# Altium PCB ReboostV2.PcbDoc (part 1 of 2) (continued)
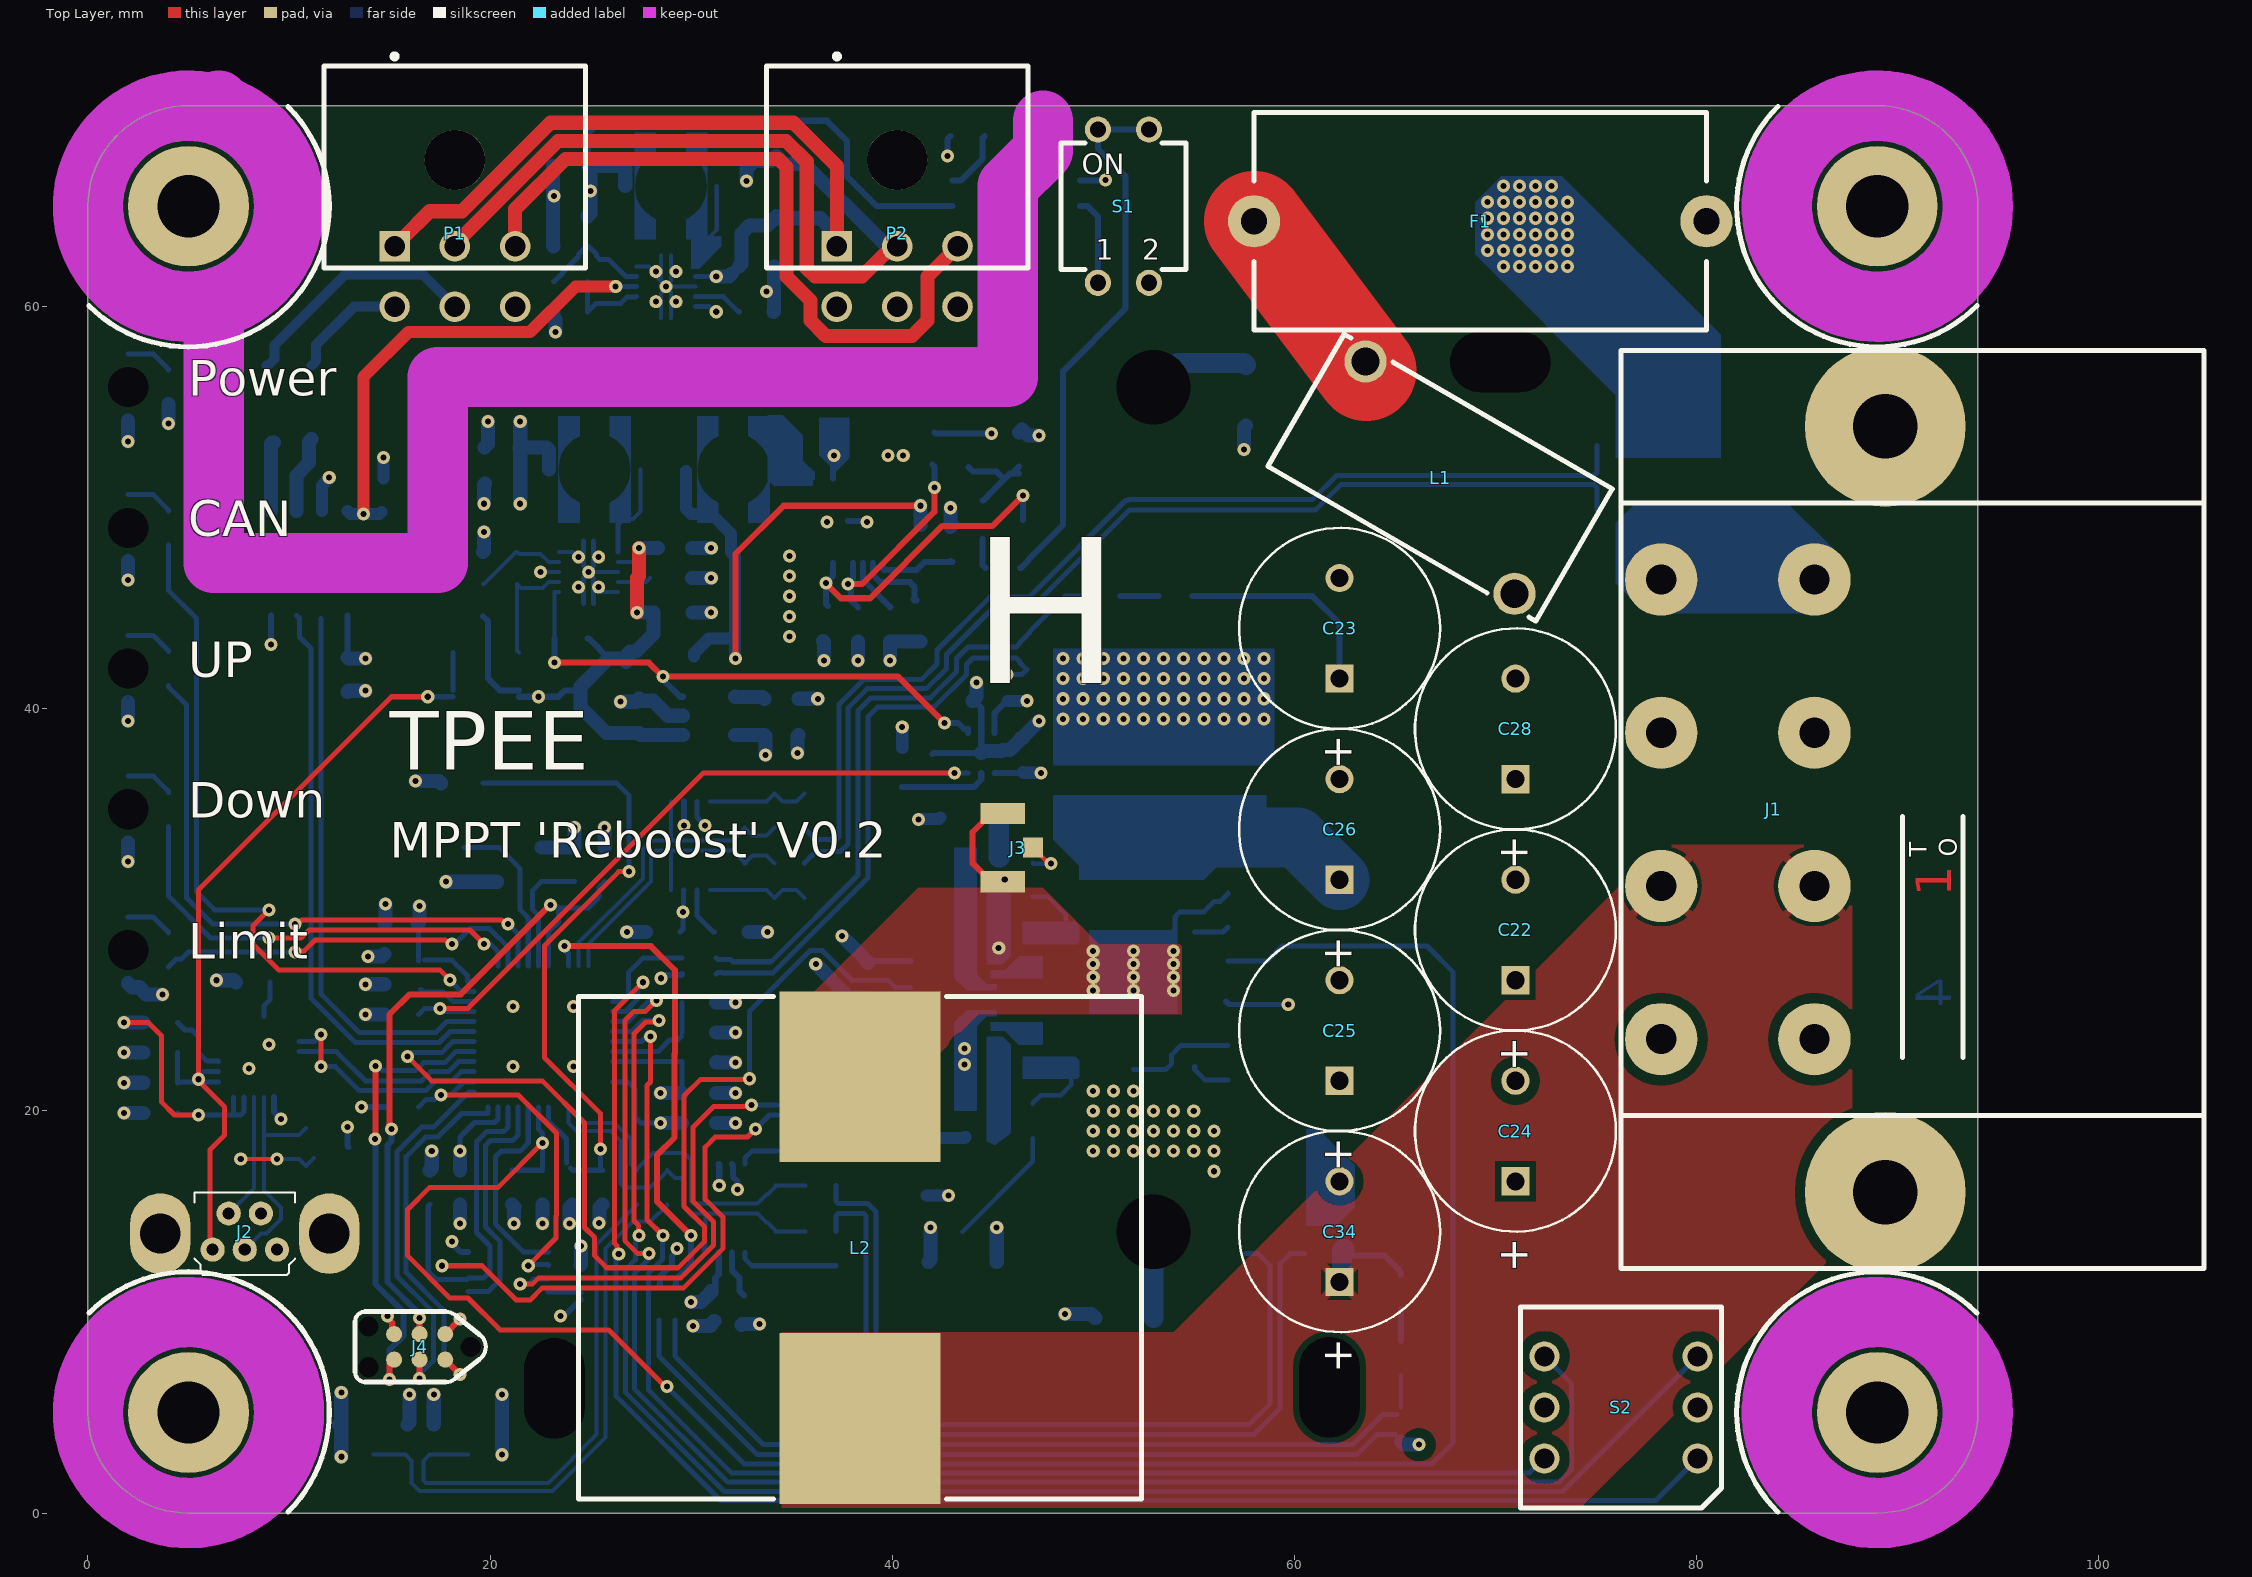
[diagram p0: Top Layer view]
## Design rules (kind name [scope] priority, off if disabled: settings) (continued)
Width Width-xTW [All] p2: maxlimit=1.5 minlimit=0.15 preferedwidth=0.2
2 further rules are at their usual default settings.

## Classes and differential pairs
net class HV: HSG HSS NetC27_1 NetC29_1 NetC40_2 NetD3_2 NetJ3_1 NetQ1_G1 NetQ1_G2 Vb VHPF VLP
net class CANISO: 5Vcan CANH CANL CGND NetC47_2 NetD4_2 NetL3_1 NetL6_1 NetL6_4 NetR28_1 NetR30_1 NetU7_3 NetU7_6 SHLD1 SHLD2 Vcan
component class Designator: C27 C29 C30 C31 C32 C33 C36 C37 C38 C39 C40 C61 D2 D3 J3 J5 MP1 MP2 Q1 Q2 R22 R23 R24 R25 R26 R27 R46 R50 U5
channel class ReboostV2__Vsense: VHS VLS
component class VLS: L7_VLS R12_VLS R13_VLS R49_VLS
component class VHS: L7_VHS R12_VHS R13_VHS R49_VHS
channel class ReboostV2__Isense: IHS ILS
component class USB: C5 C6 C7 C8 D1 J2 R11 U2
component class ReboostV2_toplevel: F1 J1 LED1 LED2 LED3 LED4 LED5 R1 R2 R3 R4 R5 S1
component class PSU: C48 C49 C50 C51 C52 C53 C54 C55 C56 C57 C58 C59 C60 C63 C64 D5 D6 D7 L4 L5 Q3 R32 R33 R34 R35 R36 R37 R38 R39 R40 R41 R42 R43 R44 R45 R47 R48 U8 U9 U10 U11
component class PowerElectronics: C20 C21 C22 C23 C24 C25 C26 C28 C34 C35 L1 L2 R18 R19 R20 R21
component class ILS: C1_ILS C2_ILS C3_ILS C4_ILS R6_ILS R7_ILS R8_ILS R9_ILS R10_ILS U1_ILS
component class IHS: C1_IHS C2_IHS C3_IHS C4_IHS R6_IHS R7_IHS R8_IHS R9_IHS R10_IHS U1_IHS
component class Controller: C9 C10 C11 C12 C13 C14 C15 C16 C17 C18 C19 J4 J6 J7 R14 R15 R16 R17 R51 R52 S2 U3 U4 X1
component class CAN: C41 C42 C43 C44 C45 C46 C47 D4 L3 L6 P1 P2 R28 R29 R30 R31 U6 U7
differential pair D: +D_P -D_N
differential pair S_ILS: +S_ILS_P -S_ILS_N
differential pair S_IHS: +S_IHS_P -S_IHS_N
differential pair _ILS: +_ILS_P -_ILS_N
differential pair _IHS: +_IHS_P -_IHS_N

## Components (designator, comment, footprint, x,y, rotation, side; value= is the part's Value field where it differs from the comment)
C1_IHS "1nF" C0603 34.15,31.45 r90 bottom (schematic designator C1)
C1_ILS "1nF" C0603 35.7,13.15 r90 bottom (schematic designator C1)
C2_IHS "100nF" C0603 28.6,28.9 r0 bottom (schematic designator C2)
C2_ILS "100nF" C0603 30.4,20.9 r180 bottom (schematic designator C2)
C3_IHS "100nF" C0603 32,28.9 r180 bottom (schematic designator C3)
C3_ILS "100nF" C0603 32.5,10.2 r90 bottom (schematic designator C3)
C4_IHS "1nF" C0603 34.15,34.95 r270 bottom (schematic designator C4)
C4_ILS "1nF" C0603 35.7,17.15 r270 bottom (schematic designator C4)
C5 "2.2uF" C0603 3.6,21.4 r0 bottom
C6 "100nF" C0603 3.6,22.9 r0 bottom
C7 "2.2uF" C0603 8.2,26.4 r0 bottom
C8 "2.2uF" C0603 3.6,19.9 r0 bottom
C9 "100nF" C0603 24.5,11.5 r270 bottom
C10 "15pF" C0603 18.7,32.25 r90 bottom
C11 "15pF" C0603 24.2,32.25 r270 bottom
C12 "1uF" C0603 30.4,22.4 r180 bottom
C13 "100nF" C0603 34.5,38.7 r180 bottom
C14 "1uF" C0603 30.4,25.4 r180 bottom
C15 "100nF" C0603 30.4,23.9 r180 bottom
C16 "100nF" C0603 18.5,16.2 r90 bottom
C17 "100nF" C0603 15.6,27.8 r0 bottom
C18 "100nF" C0603 38.8,26.5 r90 bottom
C19 "100nF" C0603 12.9,41.7 r90 bottom
C20 "100nF" C0603 22.6,16.2 r90 bottom
C21 "100nF" C0603 24.1,16.2 r90 bottom
C22 "100uF" WCAP-ATUL_10x20x5x0.6 71,29 r270 top
C23 "100uF" WCAP-ATUL_10x20x5x0.6 62.25,44 r270 top
C24 "100uF" WCAP-ATUL_10x20x5x0.6 71,19 r270 top
C25 "100uF" WCAP-ATUL_10x20x5x0.6 62.25,24 r270 top
C26 "100uF" WCAP-ATUL_10x20x5x0.6 62.25,34 r270 top
C27 "100nF" C-1206 51.5,9.7 r180 bottom
C28 "100uF" WCAP-ATUL_10x20x5x0.6 71,39 r270 top
C29 "100nF" C-1206 57.6,55.6 r270 bottom
C30 "2.2uF" C0603 44.5,21.5 r0 bottom
C31 "100nF" C0603 44.5,20 r0 bottom
C32 "1uF" C-1206 53.3,36.4 r270 bottom
C33 "1uF" C-1206 55.5,36.4 r270 bottom
C34 "100uF" WCAP-ATUL_10x20x5x0.6 62.25,14 r270 top
C35 "100nF" C-0805 62.5,14 r270 bottom
C36 "1uF" C-1206 48.9,36.4 r270 bottom
C37 "1uF" C-1206 51.1,36.4 r270 bottom
C38 "1uF" C-1206 57.7,36.4 r270 bottom
C39 "100nF" C0603 15.6,29.3 r0 bottom
C40 "2.2uF" C0603 44.5,29.5 r180 bottom
C41 "100nF" C0603 30.4,19.4 r180 bottom
C42 "100nF" C0603 24,64.5 r0 bottom
C43 "100nF" C-0805 33.25,62 r180 bottom
C44 "1uF" C-1206 34.25,66 r270 bottom
C45 "100nF" C0603 14.7,50.6 r270 bottom
C46 "10uF" C-0805 24,67 r0 bottom
C47 "10nF" C0603 33.25,59.75 r180 bottom
C48 "4.7uF" C-0805 33.05,47.6 r180 bottom
C49 "4.7uF" C-0805 33.05,43.6 r180 bottom
C50 "4.7uF" C-0805 33.1,45.6 r180 bottom
C51 "100nF" C0603 41.4,44.2 r90 bottom
C52 "2.2uF" C-0805 29.2,44.8 r180 bottom
C53 "10uF" C-0805 20.6,53 r0 bottom
C54 "100nF" C0603 20.6,51.2 r0 bottom
C55 "10nF" C0603 29.2,46.5 r180 bottom
C56 "2.2uF" C0603 46.5,37.7 r270 bottom
C57 "10nF" C0603 34.5,40.5 r180 bottom
C58 "2.2uF" C0603 31,10.2 r90 bottom
C59 "100nF" C0603 44.9,40.4 r0 bottom
C60 "100nF" C0603 29.2,48 r180 bottom
C61 "100nF" C0603 44.5,31 r180 bottom
C63 "100nF" C0603 27.4,39.65 r270 bottom
C64 "1uF" C-1206 38.6,53.9 r180 bottom
D1 "SP0502BAHTG" SOT23 11.9,18.2 r90 bottom
D2 "SS110L" SUB-SMA 41.7,17.2 r90 bottom
D3 "SS110L" SUB-SMA 43.8,34.6 r0 bottom
D4 "HMHA2801" FSOP4 46.175,65.635 r0 bottom
D5 "MMSD701T1G" "SOD123 - B" 19.8,42.8 r0 bottom
D6 "MMSD701T1G" "SOD123 - B" 28.5,42.6 r180 bottom
D7 "MMSD701T1G" "SOD123 - B" 19.8,40.6 r0 bottom
F1 "Fuse Holder" Fuse5x20TH 58,64.25 r0 top
J1 "Header 1x4" "PC 4/ 4-G-7,62" 105.25,35 r90 top
J2 "USB-B-MINI-VERT" USB-B-MINI-VERT 7.8,14 r0 top
J3 "U.FL" U_FL 45.5,33.1 r270 top
J4 "TagConnect 6p NL" TC2030-IDC-NL 19.04,8.265 r180 top
J5 "U.FL" U_FL 43.5,12.5 r180 bottom
J6 "U.FL" U_FL 14.2,4.4 r0 bottom
J7 "U.FL" U_FL 18.9,4.4 r0 bottom
L1 "2uH, 10A" 744710210 67.25,51.5 r330 top
L2 "33uH, 13A" WE-HCF_2920 38.4,13.2 r0 top locked
L3 "150uH 0.42A" "WE-TPC 4828, MH" 29,66 r180 bottom
L4 "150uH 0.42A" "WE-TPC 4828, MH" 32.1,51.9 r180 bottom
L5 "150uH 0.42A" "WE-TPC 4828, MH" 25.2,51.9 r180 bottom
L6 "800Ohm" WE-CNSW_1812 10,55.25 r90 bottom
L7_VHS "90Ohm" WE-CNSW_0805 30.4,27.2 r180 bottom (schematic designator L7)
L7_VLS "90Ohm" WE-CNSW_0805 28.8,10.45 r90 bottom (schematic designator L7)
LED1 "GRN" "WL-SMRW_1206 cylindrical_Reverse use" 2,56 r90 bottom
LED2 "RED" "WL-SMRW_1206 cylindrical_Reverse use" 2,49 r90 bottom
LED3 "RED" "WL-SMRW_1206 cylindrical_Reverse use" 2,35 r90 bottom
LED4 "GRN" "WL-SMRW_1206 cylindrical_Reverse use" 2,28 r90 bottom
LED5 "GRN" "WL-SMRW_1206 cylindrical_Reverse use" 2,42 r90 bottom
MP1 "M2.5x2mm" 9774020151 53,14 r270 bottom
MP2 "M2.5x2mm" 9774020151 53,56 r270 bottom
P1 "66200621022" 66200621022 18.25,66.95 r180 top
P2 "66200621022" 66200621022 40.25,66.95 r180 top
Q1 "GS61008T" GS61008T 52,30.3 r180 bottom
Q2 "GS61008T" GS61008T 52,23.6 r180 bottom
Q3 "MMBT5401LT1G" SOT-23 45.5,49.4 r90 bottom
R1 "330R" 0603 4,56 r270 bottom
R2 "330R" 0603 4,49 r270 bottom
R3 "330R" 0603 4,35 r270 bottom
R4 "330R" 0603 4,28 r270 bottom
R5 "330R" 0603 4,42 r270 bottom
R6_IHS "0.005R" 2512-L-4T 78,51.5 r270 bottom (schematic designator R6)
R6_ILS "0.005R" 2512-L-4T 59,16 r0 bottom (schematic designator R6)
R7_IHS "1K" 0603 35.65,31.45 r270 bottom (schematic designator R7)
R7_ILS "1K" 0603 37.2,13.15 r270 bottom (schematic designator R7)
R8_IHS "47k" 0603 32.65,31.45 r90 bottom (schematic designator R8)
R8_ILS "47k" 0603 34.2,13.15 r90 bottom (schematic designator R8)
R9_IHS "1K" 0603 35.65,34.95 r90 bottom (schematic designator R9)
R9_ILS "1K" 0603 37.2,17.15 r90 bottom (schematic designator R9)
R10_IHS "47k" 0603 32.65,34.95 r270 bottom (schematic designator R10)
R10_ILS "47k" 0603 34.2,17.15 r270 bottom (schematic designator R10)
R11 "10K" 0603 3.6,24.4 r180 bottom
R12_VHS "120K" 0603 54.1,45.6 r0 bottom (schematic designator R12)
R12_VLS "120K" 0603 65.3,11 r90 bottom (schematic designator R12)
R13_VHS "180K" 0603 50.5,45.6 r0 bottom (schematic designator R13)
R13_VLS "180K" 0603 65.3,7.7 r90 bottom (schematic designator R13)
R14 "10k" 0603 25.7,32.25 r270 bottom
R15 "10k" 0603 15.6,26.3 r180 bottom
R16 "10K" 0603 17,16.2 r270 bottom
R17 "10K" 0603 15.6,20.2 r0 bottom
R18 "100K" 0603 21.1,16.2 r270 bottom
R19 "100K" 0603 25.6,16.2 r270 bottom
R20 "NTC-100K" R0805 56.7,26.4 r90 bottom
R21 "NTC-100K" R0805 18.6,36.3 r0 bottom
R22 "2R" 0603 47,28 r90 bottom
R23 "49.9K" 0603 47,31.5 r270 bottom
R24 "10K" 0603 56.7,30 r270 bottom
R25 "0R" 0603 44.5,18.5 r180 bottom
R26 "0R" 0603 44.5,32.6 r0 bottom
R27 "2R" 0603 47,23 r270 bottom
R28 "100K" 0603 24,59.75 r180 bottom
R29 "470" 0603 43.75,68.5 r0 bottom
R30 "20K" 0603 24,61.25 r0 bottom
R31 "100R" 0603 24,63 r0 bottom
R32 "180K" 0603 42.1,52.9 r90 bottom
R33 "180K" 0603 41.4,48.3 r90 bottom
R34 "1M" 0805 43.8,52.9 r90 bottom
R35 "13K" 0603 38.3,44.2 r90 bottom
R36 "13K" 0603 42.9,48.2 r270 bottom
R37 "200K" 0603 46.3,52.9 r270 bottom
R38 "200K" 0603 45.5,47 r0 bottom
R39 "1M" 0805 36.55,44.25 r90 bottom
R40 "200K" 0603 39.9,44.2 r90 bottom
R41 "78.7K" 0603 20.5,44.6 r180 bottom
R42 "10K" 0603 20.5,46.2 r0 bottom
R43 "0R" 0603 20.5,47.8 r0 bottom
R44 "10K" 0603 24,43.5 r0 bottom
R45 "10K" 0603 15.6,24.8 r0 bottom
R46 "49.9K" 0603 47,19.5 r90 bottom
R47 "47k" 0603 40.5,37.2 r90 bottom
R48 "12K" 0603 42,37.2 r270 bottom
R49_VHS "10K" 0603 46.7,42.8 r270 bottom (schematic designator R49)
R49_VLS "10K" 0603 65.3,4.4 r270 bottom (schematic designator R49)
R50 "10K" 0603 56.7,22.4 r270 bottom
R51 "49.9K" 0603 28.8,16.2 r90 bottom
R52 "49.9K" 0603 27.3,16.2 r90 bottom
S1 "418127270902" 418127270902 51.5,65 r0 top
S2 "428527320916" 42852732091x_16p 76.25,5.25 r90 top
U1_IHS "LTC6362" MSOP8 29.97,33.2 r90 bottom (schematic designator U1)
U1_ILS "LTC6362" MSOP8 31.7,15.15 r90 bottom (schematic designator U1)
U2 "CP2104-F03-GM" QFN24 8.5,22.7 r90 bottom
U3 "STM32G474" QFN48 22.65,23.7 r270 bottom
U4 "74LVC2G08" TSSOP8 20.9,12 r0 bottom
U5 "Si8273" DFN-14 43,25.5 r0 bottom
U6 "ISO1044" SO-8 11,47.25 r90 bottom
U7 "LM5165XDRCT" PWSON10 28.75,61 r270 bottom
U8 "LTC3639EMSE" MSE1612 37.8,49.35 r270 bottom
U9 "LM5165YDRCT" PWSON10 24.9,46.8 r270 bottom
U10 "LP2985AIM5-3.3" SOT-23-5 30.9,39.65 r0 bottom
U11 "TPS7A2501" WSON-6 44.43,37.8 r90 bottom
X1 "16MHz" 7M 21.45,32.25 r0 bottom

## Footprints (in the part's own frame and the unit in brackets; to place one, negate y for a bottom-side part, rotate by r counter-clockwise, add the part's x,y. Pads: shape width x height; smd on the part's side, far side on the other; paste and mask are expansions set on the pad)
7M [mm]
  rect 1.4x1.2 smd: 0(-1.1,0.85) 0(1.1,-0.85) 1(-1.1,-0.85) 2(1.1,0.85)
  silkscreen extent -0.2,-1.25 0.2,1.25, body extent -1.6,-1.3 1.7,1.3, height 0.8
0603 [mm]
  rect 1.1x1 smd: 1(-0.85,0) 2(0.85,0)
  body extent -0.95,-0.45 0.95,0.45, height 0.45
0805 [mm]
  rect 1.1x1.4 smd: 1(-0.875,0) 2(0.875,0)
  body extent -1.01,-0.64 1.01,0.64, height 0.6
2512-L-4T [mm]
  rect 1.3x5.4 smd: 1(-1.6,-0.6) 2(1.6,-0.6)
  rect 1.3x0.7 smd: 3(-1.6,2.95) 4(1.6,2.95)
  body extent -1.61,-3.18 1.62,3.24, height 0.6
744710210 [mm] "Rod Core Choke, THT, 2-leads"
  round 2.1 hole 1.4: 1(-6.1,3.15) 2(6.1,-3.15)
  silkscreen extent -7.7,-3.8 7.7,3.8, body extent -7.7,-3.8 7.7,3.8, height 7.65
9774020151 [mm] "SMT Steel Spacer with internal Thread M2.5, height 2mm"
  round 6 / inner round 0 / far side round 0 hole 3.7 unplated: 1(0,0)
  body extent -2.55,-2.55 2.55,2.55, height 2
42852732091x_16p [mm] "10x10 mm washable THT arrow type, 16 position"
  round 1.5 hole 1: 1(-2.54,-3.81) 2(2.54,3.81) 4(2.54,-3.81) 8(-2.54,3.81) C(0,3.81) C(0,-3.81)
  silkscreen extent -5,-5 5,5, body extent -5,-5 5,5, height 6.55
66200621022 [mm] "Dual row Right angle header With plastic peg 06p"
  rect 1.52x1.52 hole 1.02: 1(3,3.95)
  round 1.52 hole 1.02: 2(0,3.95) 3(-3,3.95) 4(3,6.95) 5(0,6.95) 6(-3,6.95)
  round 3 hole 3 unplated: MH1(0,-0.35)
  silkscreen extent -6.5,-5.62 6.5,5.02, body extent -6.35,-4.95 6.35,7.27, height 8.79
418127270902 [mm] "2.54 mm small compact THT with raised actuator 2p"
  round 1.3 hole 0.8: 1(-1.27,-3.81) 2(1.27,-3.81) 3(1.27,3.81) 4(-1.27,3.81)
  silkscreen extent -3.11,-3.15 3.11,3.15, body extent -3.01,-3.98 3.01,3.89, height 4.15
C0603 [mm]
  rect 1.1x1 smd: 1(-0.85,0) 2(0.85,0)
  body extent -0.95,-0.45 0.95,0.45, height 0.45
C-0805 [mm]
  rect 1.1x1.4 smd: 1(-0.875,0) 2(0.875,0)
  body extent -1.01,-0.64 1.01,0.64, height 0.6
C-1206 [mm]
  rect 1.6x1.8 smd: 1(-1.5,0) 2(1.5,0)
  body extent -1.61,-0.81 1.61,0.81, height 0.45
DFN-14 [mm] "DFN-14-SILABS"
  rrect25% 0.8x0.4 smd: 1(-2.1,1.95) 2(-2.1,1.3) 3(-2.1,0.65) 4(-2.1,0) 5(-2.1,-0.65) 6(-2.1,-1.3) 7(-2.1,-1.95) 8(2.1,-1.95) 9(2.1,-1.3) 10(2.1,-0.65) 11(2.1,0) 12(2.1,0.65) 13(2.1,1.3) 14(2.1,1.95)
  silkscreen extent -2.5,-2.5 2.5,3.15, body extent -2.5,-2.5 2.5,2.5, height 0.95
FSOP4 [mm]
  rect 1.52x0.61 smd: 1(-3.175,0.635)
  oval 1.52x0.61 smd: 2(-3.175,-0.635) 3(3.175,-0.635) 4(3.175,0.635)
  silkscreen extent -2,-1.27 2,1.27, body extent -3.5,-1.4 3.5,1.4, height 2.1
Fuse5x20TH [mm]
  round 2.6 hole 1.3: 1(0,0) 2(22.5,0)
  silkscreen extent 0,-5.4 22.5,5.4, body extent -0.3,-4.8 22.8,4.8, height 11.5
GS61008T [mm] "GAN TRANS EMODE 100V 90A TOP SIDE COOLED"
  rect 5.5x0.85 smd paste-0.1: D(0,1.55)
  rect 0.85x1.15 smd paste-0.1: G1(-3.05,-1.4)
  rect 0.85x1.15 smd: G2(3.05,-1.4)
  rect 4.4x0.85 smd paste-0.1: S(0,-1.55)
  silkscreen extent -3.5,-0.5 3.5,2, body extent -3.5,-2 3.5,2, height 0.5
MSE1612 [mm] "6-LEAD PLASTIC MSOP with 2 pins removed"
  rect 0.9x0.3 smd: 1(-2.1,1.75) 3(-2.1,0.75) 5(-2.1,-0.25) 6(-2.1,-0.75) 7(-2.1,-1.25) 8(-2.1,-1.75) 9(2.1,-1.75) 10(2.1,-1.25) 11(2.1,-0.75) 12(2.1,-0.25) 14(2.1,0.75) 16(2.1,1.75)
  rect 1.6x2.8 smd: 17(0,0)
  body extent -1.5,-2 1.5,2, height 1.1
MSOP8 [mm] "Mini small outline package"
  rect 1.02x0.41 smd: 1(-2.2,0.975) 2(-2.2,0.325) 3(-2.2,-0.325) 4(-2.2,-0.975) 5(2.2,-0.975) 6(2.2,-0.325) 7(2.2,0.325) 8(2.2,0.975)
  silkscreen extent -2.2,-1.5 1.3,1.8, body extent -2.45,-1.5 2.45,1.5, height 1.15
"PC 4/ 4-G-7,62" [mm]
  round 8 hole 3.2: 0(-19.05,15.86) 0(19.05,15.86)
  round 3.6 hole 1.5: 1(-11.43,19.38) 1(-11.43,27) 2(-3.81,19.38) 2(-3.81,27) 3(3.81,19.38) 3(3.81,27) 4(11.43,19.38) 4(11.43,27)
  silkscreen extent -22.83,0 22.83,29, body extent -22.84,0.03 22.84,29.03, height 14.25
PWSON10 [mm]
  rrect40% 0.23x0.8 smd: 1(-1,-1.475) 2(-0.5,-1.475) 3(0,-1.475) 4(0.5,-1.475) 5(1,-1.475) 6(1,1.475) 7(0.5,1.475) 8(0,1.475) 9(-0.5,1.475) 10(-1,1.475)
  rrect40% 1.05x0.68 on Bottom Paste: 2(-0.575,-0.4) 2(-0.575,0.4) 2(0.575,-0.4) 2(0.575,0.4)
  rrect10% 0.5x0.26 on Bottom Paste: 3(-1.55,0.25) 3(1.55,0.25) 4(-1.55,-0.25) 4(1.55,-0.25)
  rect 0.7x0.28 smd paste-2: CP(-1.55,-0.25) CP(-1.55,0.25) CP(1.55,-0.25) CP(1.55,0.25)
  round 0.65 hole 0.3 mask+0.102: CP(-0.75,-0.5) CP(-0.75,0.5) CP(0,0) CP(0.75,-0.5) CP(0.75,0.5)
  rect 2.4x1.65 smd paste-2: CP(0,0)
  silkscreen extent -1.6,-1.6 1.6,1.6, body extent -1.6,-1.6 1.6,1.6, height 0.6
QFN24 [mm]
  rect 2.6x2.6 smd paste-10: 0(0,0)
  rect 0.75x0.3 smd: 1(-2,1.25) 2(-2,0.75) 3(-2,0.25) 4(-2,-0.25) 5(-2,-0.75) 6(-2,-1.25) 13(2,-1.25) 14(2,-0.75) 15(2,-0.25) 16(2,0.25) 17(2,0.75) 18(2,1.25)
  rect 0.3x0.75 smd: 7(-1.25,-2) 8(-0.75,-2) 9(-0.25,-2) 10(0.25,-2) 11(0.75,-2) 12(1.25,-2) 19(1.25,2) 20(0.75,2) 21(0.25,2) 22(-0.25,2) 23(-0.75,2) 24(-1.25,2)
  silkscreen extent -2.25,-2.25 2.25,2.25, body extent -2.01,-2.01 2.01,2.01, height 0.9
QFN48 [mm] "QFN, 48-Leads, Body 7,00x6,95mm, Pitch 0,50mm, Thermal Pad 5,60x5,60mm, IPC Low Density"
  rrect50% 0.9x0.25 smd: 1(-3.5,2.75) 2(-3.5,2.25) 3(-3.5,1.75) 4(-3.5,1.25) 5(-3.5,0.75) 6(-3.5,0.25) 7(-3.5,-0.25) 8(-3.5,-0.75) 9(-3.5,-1.25) 10(-3.5,-1.75) 11(-3.5,-2.25) 12(-3.5,-2.75) 25(3.5,-2.75) 26(3.5,-2.25) 27(3.5,-1.75) 28(3.5,-1.25) 29(3.5,-0.75) 30(3.5,-0.25) 31(3.5,0.25) 32(3.5,0.75) 33(3.5,1.25) 34(3.5,1.75) 35(3.5,2.25) 36(3.5,2.75)
  rrect50% 0.25x0.9 smd: 13(-2.75,-3.45) 14(-2.25,-3.45) 15(-1.75,-3.45) 16(-1.25,-3.45) 17(-0.75,-3.45) 18(-0.25,-3.45) 19(0.25,-3.45) 20(0.75,-3.45) 21(1.25,-3.45) 22(1.75,-3.45) 23(2.25,-3.45) 24(2.75,-3.45) 37(2.75,3.45) 38(2.25,3.45) 39(1.75,3.45) 40(1.25,3.45) 41(0.75,3.45) 42(0.25,3.45) 43(-0.25,3.45) 44(-0.75,3.45) 45(-1.25,3.45) 46(-1.75,3.45) 47(-2.25,3.45) 48(-2.75,3.45)
  rect 5.6x5.6 smd: 49(0,0)
  silkscreen extent -4.47,-3.65 3.7,3.65, body extent -3.55,-3.5 3.55,3.5, height 0.55
R0805 [mm]
  rect 1.1x1.5 smd: 1(-1.05,0) 2(1.05,0)
  body extent -1.01,-0.64 1.01,0.64, height 0.6
SO-8 [mm] "8-Pin Small Outline Integrated Circuit 1.27 mm Pitch, IPC Medium Density"
  rrect50% 1.8x0.6 smd: 1(-2.6,1.905)
  rect 1.8x0.6 smd: 2(-2.6,0.635) 3(-2.6,-0.635) 4(-2.6,-1.905) 5(2.6,-1.905) 6(2.6,-0.635) 7(2.6,0.635) 8(2.6,1.905)
  silkscreen extent -2.52,-2.5 0.9,2.88, body extent -3.02,-2.45 3.02,2.45, height 1.68
"SOD123 - B" [mm] "ONSEMI version"
  rect 0.91x1.22 smd: 1(-1.635,0) 2(1.635,0)
  silkscreen extent -1.43,-0.85 1.45,0.85, body extent -1.43,-0.85 1.45,0.85, height 1.01
SOT23 [mm]
  rect 1x1 smd: A(0,1.05) K1(-0.95,-1.05) K2(0.95,-1.05)
  silkscreen extent -1.5,-0.15 1.5,0.7, body extent -1.5,-1.29 1.5,1.35, height 1.08
SOT-23 [mm]
  rect 0.9x0.95 smd: 1(-0.95,-1) 2(0.95,-1) 3(0,1)
  silkscreen extent -1.5,-0.15 1.5,0.7, body extent -1.5,-1.32 1.5,1.32, height 1.08
SOT-23-5 [mm]
  rect 0.99x0.69 smd: 1(-1.295,0.95) 2(-1.295,0) 3(-1.295,-0.95)
  rect 0.9x0.69 smd: 4(1.295,-0.95) 5(1.295,0.95)
  silkscreen extent -1.1,-1.4 0.6,1.8, body extent -1.4,-1.45 1.4,1.45, height 1.45
SUB-SMA [mm] "Sub SMA"
  rect 1.4x1.4 smd: 1(-1.4,0) 2(1.4,0)
  silkscreen extent -1.45,-0.98 1.45,0.98, body extent -1.45,-0.95 1.45,0.95, height 1.5
TC2030-IDC-NL [mm] "TAG connect"
  round 0.8 smd paste-1: 1(1.27,-0.635) 2(1.27,0.635) 3(2.54,-0.635) 4(2.54,0.635) 5(3.81,-0.635) 6(3.81,0.635)
  oval 0.8x0.4 hole 1 unplated: -(0,0) -(5.08,-1.016) -(5.08,1.016)
  silkscreen extent -0.75,-1.75 5.75,1.75
TSSOP8 [mm] "TSOP, 8-Leads, Body 3,00x3,00mm, Pitch 0,65mm, IPC Medium Density"
  rrect50% 1.1x0.4 smd: 1(-2,0.975) 2(-2,0.325) 3(-2,-0.325) 4(-2,-0.975) 5(2,-0.975) 6(2,-0.325) 7(2,0.325) 8(2,0.975)
  silkscreen extent -2.12,-1.55 1.15,1.9, body extent -1.55,-1.55 1.55,1.55, height 1.1